# KiCad board RobotLegoController.kicad_pcb (continued)
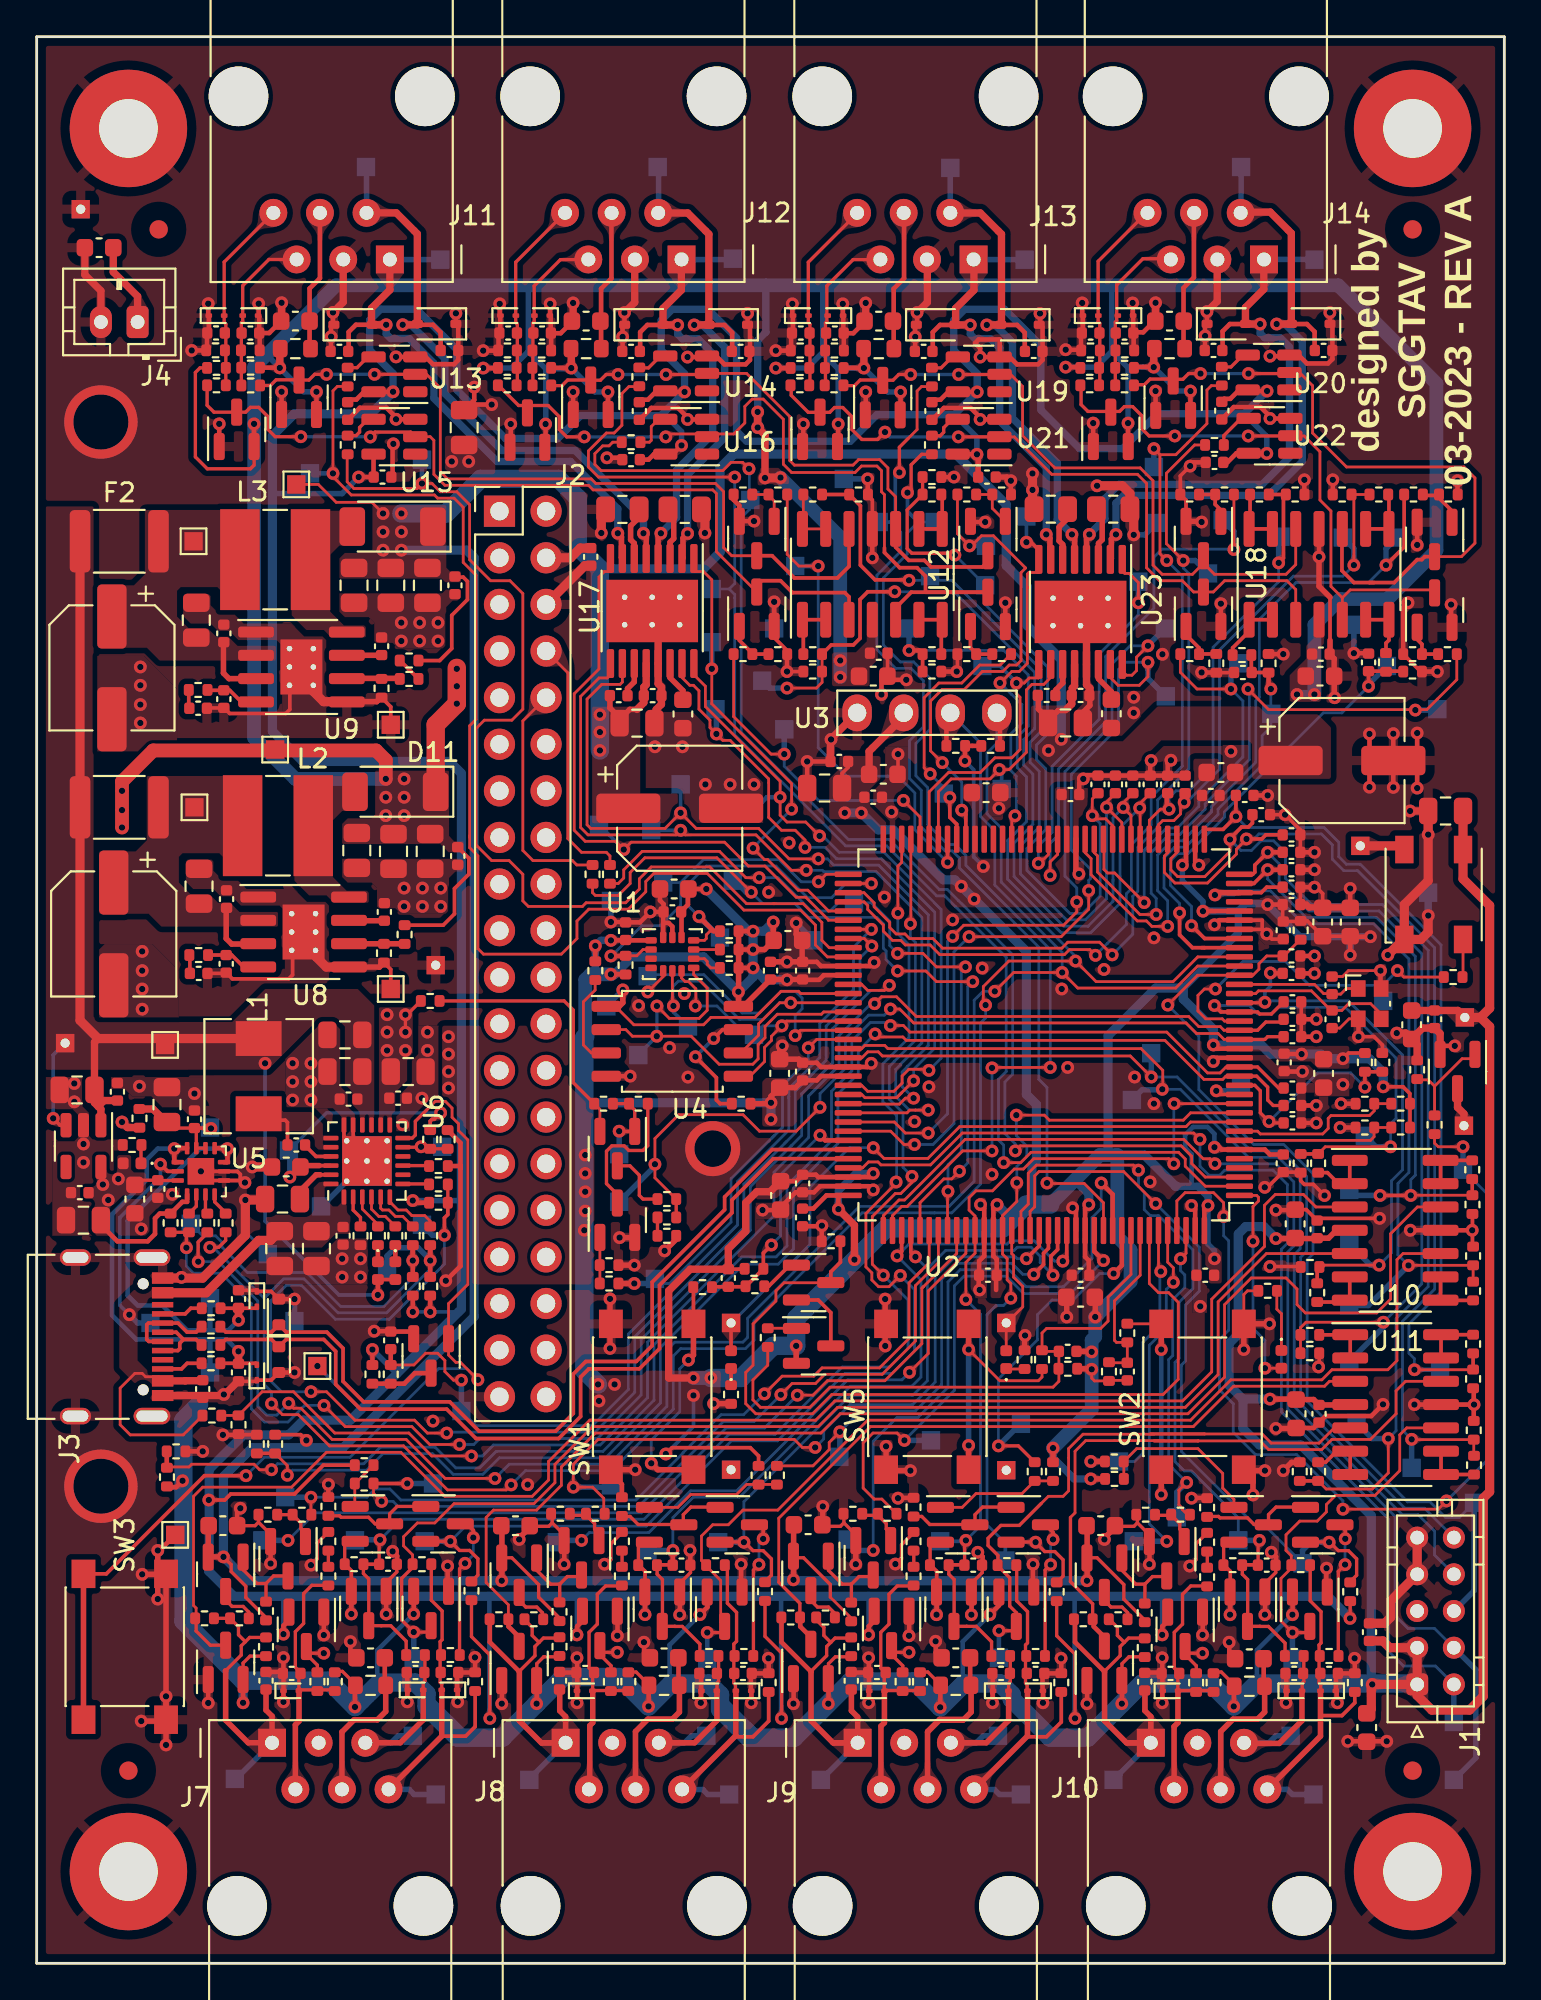
[diagram p0: board, top side]
## Footprints (pads in the part's own frame, mm; a bottom-side part is the same pattern mirrored in y, then rotated) (continued)
Texas_S-PWQFN-N24_EP2.7x2.7mm_ThermalVias
  rrect 1.13x1.13 smd: (-0.675,0.675) (-0.675,-0.675) (0.675,0.675) (0.675,-0.675)
  rrect 0.825x0.25 smd: 1(-1.962,1.25) 2(-1.962,0.75) 3(-1.962,0.25) 4(-1.962,-0.25) 5(-1.962,-0.75) 6(-1.962,-1.25) 13(1.962,-1.25) 14(1.962,-0.75) 15(1.962,-0.25) 16(1.962,0.25) 17(1.962,0.75) 18(1.962,1.25)
  rrect 0.25x0.825 smd: 7(-1.25,-1.962) 8(-0.75,-1.962) 9(-0.25,-1.962) 10(0.25,-1.962) 11(0.75,-1.962) 12(1.25,-1.962) 19(1.25,1.962) 20(0.75,1.962) 21(0.25,1.962) 22(-0.25,1.962) 23(-0.75,1.962) 24(-1.25,1.962)
  round 0.5 hole 0.3: 25(-1.1,1.1) 25(-1.1,0) 25(-1.1,-1.1) 25(0,1.1) 25(0,0) 25(0,-1.1) 25(1.1,1.1) 25(1.1,0) 25(1.1,-1.1)
  rect 2.7x2.7 smd: 25(0,0)
  rect 2.7x2.7 smd far side: 25(0,0)
USB_C_Receptacle_Palconn_UTC16-G
  round 0.6 hole 0.6 unplated: (-2.89,1.45) (2.89,1.45)
  rect 0.6x1.16 smd: A1(-3.2,2.51) A4(-2.4,2.51) A9(2.4,2.51) A12(3.2,2.51) B1(3.2,2.51) B4(2.4,2.51) B9(-2.4,2.51) B12(-3.2,2.51)
  rect 0.3x1.16 smd: A5(-1.25,2.51) A6(-0.25,2.51) A7(0.25,2.51) A8(1.25,2.51) B5(1.75,2.51) B6(0.75,2.51) B7(-0.75,2.51) B8(-1.75,2.51)
  oval 0.9x2 hole 0.6x1.7: S1(-4.32,1.93) S1(4.32,1.93)
  oval 0.9x1.7 hole 0.6x1.4: S1(-4.32,-2.24) S1(4.32,-2.24)
WQFN-14-1EP_2.5x2.5mm_P0.5mm_EP1.45x1.45mm
  rrect 0.58x0.58 smd: (-0.36,0.36) (-0.36,-0.36) (0.36,0.36) (0.36,-0.36)
  rrect 0.675x0.25 smd: 1(-1.262,0.5) 2(-1.262,0) 3(-1.262,-0.5) 8(1.262,-0.5) 9(1.262,0) 10(1.262,0.5)
  rrect 0.25x0.675 smd: 4(-0.75,-1.262) 5(-0.25,-1.262) 6(0.25,-1.262) 7(0.75,-1.262) 11(0.75,1.262) 12(0.25,1.262) 13(-0.25,1.262) 14(-0.75,1.262)
  rect 1.45x1.45 smd: 15(0,0)

## Nets
3V3_SENSE: C89.1 R69.1 R73.2 U2.13
5V_SENSE: C88.1 R68.1 R72.2 U2.15
9V_SENSE: C87.1 R67.1 R71.2 U2.14
+3.3V: C3.1 C4.1 C5.1 C6.1 C7.1 C8.1 C11.1 C12.2 C13.1 C14.2 C15.1 C16.1 C17.1 C18.2 C19.1 C20.2 C23.2 C24.2 C25.2 C26.2 C27.2 C28.2 C29.2 C31.2 C32.2 C33.1 C34.1 C35.1 C36.1 C37.1 C38.1 C39.2 C40.1 C42.1 C43.1 C63.1 C64.1 C142.1 C143.1 C144.1 C145.1 C167.1 C168.1 C169.1 C170.1 D10.2 D15.2 D16.2 D19.2 D20.2 D29.2 D30.2 D33.2 D34.2 Q1.2 Q9.2 Q10.2 Q11.2 Q12.2 R1.2 R2.2 R3.2 R4.2 R6.2 R7.2 R8.2 R14.2 R17.2 R18.2 R19.2 R20.2 R21.2 R22.2 R31.2 R33.2 R39.2 R40.2 R41.2 R69.2 R98.2 R99.2 R102.2 R103.2 R106.2 R108.2 R110.1 R111.1 R148.2 R149.2 R160.1 R161.1 TP36.1 U1.5 U1.8 U2.6 U2.17 U2.32 U2.33 U2.39 U2.52 U2.62 U2.72 U2.84 U2.95 U2.106 U2.108 U2.121 U2.131 U2.144 U3.2 U4.8 U5.3 U5.4 U7.5 U13.5 U14.5 U15.5 U16.5 U19.5 U20.5 U21.5 U22.5
+4V: C51.1 C55.1 C56.1 C61.1 C62.1 D8.2 D9.2 F1.1 F2.1 L1.2 TP28.1 TP35.1 U6.15 U6.16 U7.1 U7.3
+5V: C1.2 C2.1 C9.1 C10.1 C57.1 C72.1 C73.1 C74.1 C75.1 C92.2 C93.1 C112.2 C113.1 C140.1 C141.2 C165.1 C166.2 C181.2 C182.1 D11.1 D13.2 D14.2 D23.2 D24.2 D27.2 D28.2 D37.2 D38.2 D43.2 D44.2 D47.2 D48.2 D55.2 D56.2 D59.2 D60.2 D65.3 F3.2 F4.2 F5.2 F6.2 F7.2 F8.2 F9.2 F10.2 J1.1 J1.3 J2.2 J2.4 R28.2 R59.2 R68.2 R74.2 R75.2 R90.2 R91.2 R124.2 R125.2 R140.2 R141.2 R174.2 R175.2 R188.2 R189.2 R209.2 R210.2 R223.2 R224.2 TP42.1 TP147.1 U10.4 U11.4 U12.4 U18.4
+9V: C76.1 C77.1 C78.1 C79.1 C90.1 C91.1 C110.1 C111.1 C146.1 C147.1 C148.1 C150.1 C171.1 C172.1 C173.1 C175.1 D12.1 Q5.2 Q6.2 Q17.2 Q18.2 R60.2 R67.2 R76.2 R77.2 R126.2 R127.2 TP43.1 U17.12 U23.12
GND: C1.1 C2.2 C3.2 C4.2 C5.2 C9.2 C10.2 C11.2 C12.1 C13.2 C14.1 C15.2 C16.2 C17.2 C18.1 C19.2 C20.1 C21.2 C22.2 C23.1 C24.1 C25.1 C26.1 C27.1 C28.1 C29.1 C30.2 C31.1 C32.1 C33.2 C34.2 C35.2 C36.2 C37.2 C38.2 C39.1 C40.2 C41.2 C42.2 C43.2 C44.2 C45.2 C46.2 C47.2 C48.2 C49.2 C50.2 C51.2 C52.2 C53.2 C55.2 C56.2 C57.2 C58.2 C59.2 C60.2 C61.2 C62.2 C63.2 C64.2 C65.2 C66.2 C67.2 C68.2 C69.2 C70.2 C71.2 C72.2 C73.2 C74.2 C75.2 C76.2 C77.2 C78.2 C79.2 C80.2 C81.2 C82.2 C83.2 C84.2 C85.2 C86.2 C87.2 C88.2 C89.2 C90.2 C91.2 C92.1 C93.2 C94.1 C95.2 C96.2 C97.2 C98.2 C99.1 C100.2 C101.2 C102.2 C103.2 C104.2 C105.2 C106.2 C107.2 C108.2 C109.2 C110.2 C111.2 C112.1 C113.2 C114.1 C115.2 C116.2 C117.2 C118.2 C119.1 C120.2 C121.2 C122.2 C123.2 C124.2 C125.2 C126.2 C127.2 C128.2 C129.2 C130.2 C131.2 C132.1 C133.2 C134.2 C135.1 C136.2 C137.2 C138.2 C139.2 C140.2 C141.1 C142.2 C143.2 C144.2 C145.2 C146.2 C147.2 C148.2 C149.2 C151.2 C152.2 C153.2 C154.2 C155.2 C156.2 C157.1 C158.2 C159.2 C160.1 C161.2 C162.2 C163.2 C164.2 C165.2 C166.1 C167.2 C168.2 C169.2 C170.2 C171.2 C172.2 C173.2 C174.2 C176.2 C177.2 C178.2 C179.2 C180.2 C181.1 C182.2 D4.2 D5.2 D6.1 D7.1 D13.1 D14.1 D15.1 D16.1 D17.1 D18.1 D19.1 D20.1 D21.1 D22.1 D23.1 D24.1 D25.1 D26.1 D27.1 D28.1 D29.1 D30.1 D31.1 D32.1 D33.1 D34.1 D35.1 D36.1 D37.1 D38.1 D39.1 D40.1 D41.1 D42.1 D43.1 D44.1 D45.1 D46.1 D47.1 D48.1 D49.1 D50.1 D51.1 D52.1 D53.1 D54.1 D55.1 D56.1 D57.1 D58.1 D59.1 D60.1 D61.1 D62.1 D63.1 D64.1 D65.1 H1.1 H2.1 H3.1 H4.1 J1.7 J1.9 J2.6 J2.9 J2.14 J2.20 J2.25 J2.30 J2.34 J2.39 J3.A1 J3.A12 J3.B1 J3.B12 J3.S1 J4.2 J7.3 J8.3 J9.3 J10.3 J11.3 J12.3 J13.3 J14.3 Q4.2 Q7.2 Q8.2 Q13.2 Q19.2 Q20.2 Q29.2 Q30.2 Q31.2 Q32.2 Q33.2 Q34.2 Q35.2 Q36.2 Q37.2 R16.2 R23.1 R24.1 R25.1 R26.1 R27.1 R49.1 R52.1 R55.1 R56.1 R57.1 R58.1 R62.1 R65.1 R70.1 R71.1 R72.1 R73.1 R82.1 R83.1 R88.2 R89.2 R94.1 R97.1 R116.2 R117.1 R118.2 R119.1 R122.2 R123.2 R132.1 R133.1 R138.2 R139.2 R144.1 R147.1 R154.1 R166.2 R167.1 R168.2 R169.1 R172.2 R173.2 R180.1 R181.1 R182.2 R183.2 R186.1 R187.1 R194.1 R195.1 R196.2 R197.2 R200.1 R201.1 R207.1 R208.1 R215.1 R216.1 R217.2 R218.2 R221.1 R222.1 R229.1 R230.1 R231.2 R232.2 R235.1 R236.1 R242.1 R243.1 SW1.1 SW2.1 SW3.1 SW5.1 TP14.1 TP19.1 TP21.1 TP22.1 TP23.1 TP31.1 TP39.1 TP44.1 TP45.1 TP84.1 TP85.1 TP133.1 TP140.1 TP141.1 TP142.1 TP143.1 TP148.1 U1.6 U1.7 U2.16 U2.30 U2.31 U2.38 U2.51 U2.61 U2.71 U2.83 U2.94 U2.107 U2.120 U2.130 U2.143 U3.1 U4.4 U5.8 U5.9 U5.15 U6.17 U6.18 U6.25 U7.2 U8.1 U8.5 U8.9 U9.1 U9.5 U9.9 U10.11 U11.11 U12.11 U13.3 U14.3 U15.3 U16.3 U17.13 U17.17 U18.11 U19.3 U20.3 U21.3 U22.3 U23.13 U23.17 Y2.2 Y2.4
VBAT_ADC_ON: R54.1 TP38.1 U2.91
VBAT_SENSE: C58.1 R43.1 R51.2 TP34.1 U2.18
VBUS: C41.1 C49.1 C50.1 C52.1 J3.A4 J3.A9 J3.B4 J3.B9 R66.2 TP82.1 U5.2 U6.1 U6.24
VBUS_SENSE: C86.1 R66.1 R70.2 U2.19
+BATT: C53.1 C59.1 C180.1 J4.1 R206.1 U6.13 U6.14
/01-Microcontroller and Extras/BOARD_ID0: R21.1 R26.2 U2.7
/01-Microcontroller and Extras/BOARD_ID1: R22.1 R27.2 U2.8
/01-Microcontroller and Extras/BUTTON1: C6.2 R6.1 R10.2 R13.2 U2.136
/01-Microcontroller and Extras/BUTTON2: C7.2 R7.1 R11.2 R15.2 U2.102
/01-Microcontroller and Extras/BUTTON3: C8.2 R8.1 R12.2 U2.137
/01-Microcontroller and Extras/DEBUG_uRX_dTX: J1.10 TP11.1 U2.93
/01-Microcontroller and Extras/DEBUG_uTX_dRX: J1.8 TP8.1 U2.92
/01-Microcontroller and Extras/LED1: D1.2 TP15.1 U2.123
/01-Microcontroller and Extras/LED2: D2.2 U2.1
/01-Microcontroller and Extras/LED3: D3.2 TP17.1 U2.9
/01-Microcontroller and Extras/MC_BOOT0: Q2.3 R16.1 U2.138
/01-Microcontroller and Extras/MC_RESET_N: C30.1 J1.6 R14.1 TP6.1 U2.25
/01-Microcontroller and Extras/MC_SWCLK: J1.4 TP4.1 U2.109
/01-Microcontroller and Extras/MC_SWDIO: J1.2 TP1.1 U2.105
/01-Microcontroller and Extras/PC_uRX_rpiTX: R5.1 TP12.1 U2.116
/01-Microcontroller and Extras/PC_uTX_rpiRX: R9.1 TP13.1 U2.113
/01-Microcontroller and Extras/SYS_FLASH_CS_N: TP18.1 U2.86 U4.1
/01-Microcontroller and Extras/SYS_IMU_CS: TP9.1 U1.12 U2.90
/01-Microcontroller and Extras/SYS_IMU_IRQ1: R3.1 TP2.1 U1.4 U2.74
/01-Microcontroller and Extras/SYS_IMU_IRQ2: R4.1 TP5.1 U1.9 U2.73
/01-Microcontroller and Extras/SYS_SPI_CLK: TP10.1 U1.13 U2.87 U4.6
/01-Microcontroller and Extras/SYS_SPI_MISO: TP3.1 U1.1 U2.88 U4.2
/01-Microcontroller and Extras/SYS_SPI_MOSI: TP7.1 U1.14 U2.89 U4.5
/01-Microcontroller and Extras/XTAL_IN: C22.1 U2.23 Y2.3
/01-Microcontroller and Extras/XTAL_OUT: C21.1 U2.24 Y2.1
/02-System Power Supply and USB/5BOOSTIN: C66.1 C67.1 C68.1 F1.2 L2.1 TP40.1 U8.2 U8.3
/02-System Power Supply and USB/9BOOSTIN: C69.1 C70.1 C71.1 F2.2 L3.1 TP41.1 U9.2 U9.3
/02-System Power Supply and USB/BM_NPG: R47.1 U6.3
/02-System Power Supply and USB/BM_STAT: R45.1 U6.4
/02-System Power Supply and USB/BM_SW: C54.1 L1.1 U6.19 U6.20
/02-System Power Supply and USB/QONN: Q37.1 SW3.2 U6.12
/02-System Power Supply and USB/REGN: C60.1 R53.2 TP37.1 U6.22
/02-System Power Supply and USB/USB_CC1: C48.1 D7.2 R29.2 TP26.1 U5.10 U5.11
/02-System Power Supply and USB/USB_CC2: C47.1 D6.2 R30.2 TP27.1 U5.1 U5.14
/02-System Power Supply and USB/VCONN: C44.1 C45.1 R28.1 TP24.1 U5.12 U5.13
/03-System Inputs A/INPUT1_PIN1: C95.1 J7.1 R74.1 R80.1 R84.2 TP46.1
/03-System Inputs A/INPUT1_PIN2: C100.1 D17.2 J7.2 R90.1 R92.2 R93.2
/03-System Inputs A/INPUT1_PIN5: C102.1 D21.2 J7.5 R100.2 TP54.1
/03-System Inputs A/INPUT1_PIN6: C106.1 D25.2 J7.6 R112.2 R113.2 R116.1 TP63.1
/03-System Inputs A/INPUT2_PIN1: C96.1 J8.1 R75.1 R81.1 R85.1 TP47.1
/03-System Inputs A/INPUT2_PIN2: C101.1 D18.2 J8.2 R91.1 R95.2 R96.2
/03-System Inputs A/INPUT2_PIN5: C104.1 D22.2 J8.5 R101.2 TP55.1
/03-System Inputs A/INPUT2_PIN6: C107.1 D26.2 J8.6 R114.2 R115.2 R118.1 TP65.1
/04-System Inputs B/INPUT3_PIN1: C115.1 J9.1 R124.1 R130.1 R134.1 TP70.1
/04-System Inputs B/INPUT3_PIN2: C120.1 D31.2 J9.2 R140.1 R142.2 R143.2
/04-System Inputs B/INPUT3_PIN5: C122.1 D35.2 J9.5 R150.2 TP78.1
/04-System Inputs B/INPUT3_PIN6: C126.1 D39.2 J9.6 R162.2 R163.2 R166.1 TP87.1
/04-System Inputs B/INPUT4_PIN1: C116.1 J10.1 R125.1 R131.1 R135.1 TP71.1
/04-System Inputs B/INPUT4_PIN2: C121.1 D32.2 J10.2 R141.1 R145.2 R146.2
/04-System Inputs B/INPUT4_PIN5: C124.1 D36.2 J10.5 R151.2 TP79.1
/04-System Inputs B/INPUT4_PIN6: C127.1 D40.2 J10.6 R164.2 R165.2 R168.1 TP89.1
/05-System Outputs A/MOTORA_PIN1: C152.1 D50.2 J11.1 TP110.1 U17.7
/05-System Outputs A/MOTORA_PIN2: C151.1 D49.2 J11.2 TP109.1 U17.5
/05-System Outputs A/MOTORA_PIN5: C130.1 D41.2 J11.5 R174.1 R176.2 R180.2
/05-System Outputs A/MOTORA_PIN5_ENC: D43.3 Q29.3 R176.1 U12.12 U13.2
/05-System Outputs A/MOTORA_PIN6: C136.1 D45.2 J11.6 R188.1 R190.2 R194.2
/05-System Outputs A/MOTORA_PIN6_ENC: D47.3 Q31.3 R190.1 U12.3 U15.2
/05-System Outputs A/MOTORB_PIN1: C153.1 D51.2 J12.1 TP111.1 U17.4
/05-System Outputs A/MOTORB_PIN2: C154.1 D52.2 J12.2 TP112.1 U17.2
/05-System Outputs A/MOTORB_PIN5: C131.1 D42.2 J12.5 R175.1 R177.2 R181.2
/05-System Outputs A/MOTORB_PIN5_ENC: D44.3 Q30.3 R177.1 U12.10 U14.2
/05-System Outputs A/MOTORB_PIN6: C137.1 D46.2 J12.6 R189.1 R191.2 R195.2
/05-System Outputs A/MOTORB_PIN6_ENC: D48.3 Q32.3 R191.1 U12.5 U16.2
/06-System Outputs B/MOTORC_PIN1: C177.1 D62.2 J13.1 TP129.1 U23.7
/06-System Outputs B/MOTORC_PIN2: C176.1 D61.2 J13.2 TP128.1 U23.5
/06-System Outputs B/MOTORC_PIN5: C155.1 D53.2 J13.5 R209.1 R211.2 R215.2
/06-System Outputs B/MOTORC_PIN5_ENC: D55.3 Q33.3 R211.1 U18.12 U19.2
/06-System Outputs B/MOTORC_PIN6: C161.1 D57.2 J13.6 R223.1 R225.2 R229.2
/06-System Outputs B/MOTORC_PIN6_ENC: D59.3 Q35.3 R225.1 U18.3 U21.2
/06-System Outputs B/MOTORD_PIN1: C178.1 D63.2 J14.1 TP130.1 U23.4
/06-System Outputs B/MOTORD_PIN2: C179.1 D64.2 J14.2 TP131.1 U23.2
/06-System Outputs B/MOTORD_PIN5: C156.1 D54.2 J14.5 R210.1 R212.2 R216.2
/06-System Outputs B/MOTORD_PIN5_ENC: D56.3 Q34.3 R212.1 U18.10 U20.2
/06-System Outputs B/MOTORD_PIN6: C162.1 D58.2 J14.6 R224.1 R226.2 R230.2
/06-System Outputs B/MOTORD_PIN6_ENC: D60.3 Q36.3 R226.1 U18.5 U22.2
ADD_LED_RGB: R152.1 TP144.1 U2.20
BM_NIRQ: R41.1 R48.1 TP32.1 U2.80
INPUT1_PIN1_CURRENT_ENABLE: R78.1 TP48.1 U2.114
INPUT1_PIN1_SENSE_VOLTAGE: C97.1 R86.2 R88.1 TP50.1 U2.21
INPUT1_PIN2_DETECT: D15.3 R92.1 TP52.1 U2.117
INPUT1_PIN5_SCL_uTX_pRX: C103.1 D19.3 R98.1 R100.1 TP56.1 U2.69
INPUT1_PIN6_ENABLE_N: R104.1 TP60.1 U2.115
INPUT1_PIN6_SDA_uRX_pTX: Q15.2 R110.2 TP66.1 U2.70
INPUT1_PIN6_SENSE_VOLTAGE: C108.1 R120.2 R122.1 TP68.1 U2.22
INPUT2_PIN1_CURRENT_ENABLE: R79.1 TP49.1 U2.126
INPUT2_PIN1_SENSE_VOLTAGE: C98.1 R87.2 R89.1 TP51.1 U2.35
INPUT2_PIN2_DETECT: D16.3 R95.1 TP53.1 U2.118
INPUT2_PIN5_SCL_uTX_pRX: C105.1 D20.3 R99.1 R101.1 TP57.1 U2.111 U2.129
INPUT2_PIN6_ENABLE_N: R105.1 TP59.1 U2.127
INPUT2_PIN6_SDA_uRX_pTX: Q16.2 R111.2 TP67.1 U2.112 U2.128
INPUT2_PIN6_SENSE_VOLTAGE: C109.1 R121.2 R123.1 TP69.1 U2.34
INPUT3_PIN1_CURRENT_ENABLE: R128.1 TP72.1 U2.132
INPUT3_PIN1_SENSE_VOLTAGE: C117.1 R136.2 R138.1 TP74.1 U2.36
INPUT3_PIN2_DETECT: D29.3 R142.1 TP76.1 U2.134
INPUT3_PIN5_SCL_uTX_pRX: C123.1 D33.3 R148.1 R150.1 TP80.1 U2.11 U2.119
INPUT3_PIN6_ENABLE_N: R107.1 TP61.1 U2.135
INPUT3_PIN6_SDA_uRX_pTX: Q27.2 R160.2 TP90.1 U2.10 U2.122
INPUT3_PIN6_SENSE_VOLTAGE: C128.1 R170.2 R172.1 TP92.1 U2.40
INPUT4_PIN1_CURRENT_ENABLE: R129.1 TP73.1 U2.142
INPUT4_PIN1_SENSE_VOLTAGE: C118.1 R137.2 R139.1 TP75.1 U2.37
INPUT4_PIN2_DETECT: D30.3 R145.1 TP77.1 U2.140
INPUT4_PIN5_SCL_uTX_pRX: C125.1 D34.3 R149.1 R151.1 TP81.1 U2.124
INPUT4_PIN6_ENABLE_N: R109.1 TP83.1 U2.139
INPUT4_PIN6_SDA_uRX_pTX: Q28.2 R161.2 TP91.1 U2.125
INPUT4_PIN6_SENSE_VOLTAGE: C129.1 R171.2 R173.1 TP93.1 U2.41
MOTOR_CD_FAULT_N: TP123.1 U2.58 U23.8
MOTORA_PIN5_DET: R184.1 TP96.1 U2.65
MOTORA_PIN5_ENCODER: R202.1 TP134.1 U2.82
MOTORA_PIN5_SENSE: C133.1 R178.2 R182.1 TP94.1 U2.46
MOTORA_PIN6_DET: R198.1 TP100.1 U2.68
MOTORA_PIN6_ENCODER: R204.1 TP135.1 U2.81
MOTORA_PIN6_SENSE: C138.1 R192.2 R196.1 TP98.1 U2.45
MOTORA_PWM1: TP107.1 U2.99 U17.9
MOTORA_PWM2: TP108.1 U2.98 U17.10
MOTORAB_FAULT_N: TP104.1 U2.78 U17.8
MOTORAB_SLEEP_N: TP103.1 U2.77 U17.1
MOTORB_PIN5_DET: R185.1 TP97.1 U2.63
MOTORB_PIN5_ENCODER: R203.1 TP16.1 U2.2
MOTORB_PIN5_SENSE: C134.1 R179.2 R183.1 TP95.1 U2.47
MOTORB_PIN6_DET: R199.1 TP101.1 U2.64
MOTORB_PIN6_ENCODER: R205.1 TP20.1 U2.3
MOTORB_PIN6_SENSE: C139.1 R193.2 R197.1 TP99.1 U2.44
MOTORB_PWM1: TP105.1 U2.96 U17.16
MOTORB_PWM2: TP106.1 U2.97 U17.15
MOTORC_PIN5_DET: R219.1 TP115.1 U2.53
MOTORC_PIN5_ENCODER: R237.1 TP139.1 U2.133
MOTORC_PIN5_SENSE: C158.1 R213.2 R217.1 TP113.1 U2.43
MOTORC_PIN6_DET: R233.1 TP119.1 U2.48
MOTORC_PIN6_ENCODER: R239.1 TP138.1 U2.110
MOTORC_PIN6_SENSE: C163.1 R227.2 R231.1 TP117.1 U2.28
MOTORC_PWM1: TP126.1 U2.67 U23.9
MOTORC_PWM2: TP127.1 U2.66 U23.10
MOTORCD_FAULT_N: U2.55
MOTORCD_SLEEP_N: TP122.1 U2.54 U23.1
MOTORD_PIN5_DET: R220.1 TP116.1 U2.50
MOTORD_PIN5_ENCODER: R238.1 TP136.1 U2.76
MOTORD_PIN5_SENSE: C159.1 R214.2 R218.1 TP114.1 U2.42
MOTORD_PIN6_DET: R234.1 TP120.1 U2.49
MOTORD_PIN6_ENCODER: R240.1 TP137.1 U2.75
MOTORD_PIN6_SENSE: C164.1 R228.2 R232.1 TP118.1 U2.29
MOTORD_PWM1: TP124.1 U2.100 U23.16
MOTORD_PWM2: TP125.1 U2.101 U23.15
PIEZO_PWM: R153.2 TP145.1 U2.141
PM_NIRQ: R33.1 R38.1 U2.85
SHUTDOWN: C46.1 R35.1 TP25.1 U2.79
SYS_I2C_SCL: R19.1 R37.1 R39.1 R46.1 TP30.1 U2.26 U3.3
SYS_I2C_SDA: R20.1 R36.1 R40.1 R44.1 TP29.1 U2.27 U3.4
USB_DN: D5.1 R32.2 U2.103
USB_DP: D4.1 R34.2 U2.104
Net-(C84-Pad1): C84.1 R63.1
Net-(C85-Pad1): C85.1 R64.1
Net-(C94-Pad2): C94.2 F3.1 J7.4
Net-(C99-Pad2): C99.2 F4.1 J8.4
Net-(C114-Pad2): C114.2 F5.1 J9.4
Net-(C119-Pad2): C119.2 F6.1 J10.4
Net-(C132-Pad2): C132.2 F7.1 J11.4
Net-(C135-Pad2): C135.2 F8.1 J12.4
Net-(C157-Pad2): C157.2 F9.1 J13.4
Net-(C160-Pad2): C160.2 F10.1 J14.4
Net-(D1-K): D1.1 R23.2
Net-(D2-K): D2.1 R24.2
Net-(D3-K): D3.1 R25.2
Net-(D8-K): D8.1 R45.2
Net-(D9-K): D9.1 R47.2
Net-(D10-K): D10.1 R56.2
Net-(D11-A): D11.2 L2.2 U8.8
Net-(D12-A): D12.2 L3.2 U9.8
Net-(D13-COM): D13.3 R84.1 U10.3
Net-(D14-COM): D14.3 R85.2 U10.12
Net-(D23-COM): D23.3 R112.1 TP62.1 U10.5
Net-(D24-COM): D24.3 R114.1 TP64.1 U10.10
Net-(D27-COM): D27.3 R134.2 U11.3
Net-(D28-COM): D28.3 R135.2 U11.12
Net-(D37-COM): D37.3 R162.1 TP86.1 U11.5
Net-(D38-COM): D38.3 R164.1 TP88.1 U11.10
Net-(D65-DIN): D65.2 R152.2
Net-(D65-DO): D65.4 TP149.1
Net-(J2-GPIO14/TXD): J2.8 R5.2
Net-(J2-GPIO15/RXD): J2.10 R9.2
Net-(J3-CC1): J3.A5 R29.1
Net-(J3-CC2): J3.B5 R30.1
Net-(J3-D+-PadA6): J3.A6 J3.B6 R34.1
Net-(J3-D--PadA7): J3.A7 J3.B7 R32.1
Net-(Q1-D): Q1.3 Q2.2
Net-(Q1-G): Q1.1 R13.1
Net-(Q2-G): Q2.1 R15.1
Net-(Q3-D): Q3.3 R43.2
Net-(Q3-G): Q3.1 R42.2 R50.1 TP33.1
Net-(Q3-S): Q3.2 R42.1 R206.2
Net-(Q4-D): Q4.3 R50.2
Net-(Q4-G): Q4.1 R54.2 R58.2
Net-(Q5-D): Q5.3 R80.2
Net-(Q5-G): Q5.1 Q7.3 R76.1
Net-(Q6-D): Q6.3 R81.2
Net-(Q6-G): Q6.1 Q8.3 R77.1
Net-(Q7-G): Q7.1 R78.2 R82.2
Net-(Q8-G): Q8.1 R79.2 R83.2
Net-(Q9-G): Q9.1 R103.1 R105.2
Net-(Q10-D): Q10.3 Q15.1 R117.2
Net-(Q10-G): Q10.1 R102.1 R104.2
Net-(Q11-D): Q11.3 Q27.1 R167.2
Net-(Q11-G): Q11.1 R106.1 R107.2
Net-(Q12-D): Q12.3 Q28.1 R169.2
Net-(Q12-G): Q12.1 R108.1 R109.2
Net-(Q13-D): Q13.3 TP146.1
Net-(Q13-G): Q13.1 R153.1 R154.2
Net-(Q15-D): Q15.3 R113.1
Net-(Q16-D): Q16.3 R115.1
Net-(Q16-G): Q9.3 Q16.1 R119.2
Net-(Q17-D): Q17.3 R130.2
Net-(Q17-G): Q17.1 Q19.3 R126.1
Net-(Q18-D): Q18.3 R131.2
Net-(Q18-G): Q18.1 Q20.3 R127.1
Net-(Q19-G): Q19.1 R128.2 R132.2
Net-(Q20-G): Q20.1 R129.2 R133.2
Net-(Q27-D): Q27.3 R163.1
Net-(Q28-D): Q28.3 R165.1
Net-(Q29-G): Q29.1 R184.2 R186.2
Net-(Q30-G): Q30.1 R185.2 R187.2
Net-(Q31-G): Q31.1 R198.2 R200.2
Net-(Q32-G): Q32.1 R199.2 R201.2
Net-(Q33-G): Q33.1 R219.2 R221.2
Net-(Q34-G): Q34.1 R220.2 R222.2
Net-(Q35-G): Q35.1 R233.2 R235.2
Net-(Q36-G): Q36.1 R234.2 R236.2
Net-(Q37-D): Q37.3 R31.1 R35.2
Net-(R10-Pad1): R10.1 SW5.2
Net-(R11-Pad1): R11.1 SW1.2
Net-(R12-Pad1): R12.1 SW2.2
Net-(R51-Pad1): R51.1 R55.2
Net-(R60-Pad1): R60.1 R61.1
Net-(R93-Pad1): R93.1 R94.2
Net-(R96-Pad1): R96.1 R97.2
Net-(R143-Pad1): R143.1 R144.2
Net-(R146-Pad1): R146.1 R147.2
Net-(R202-Pad2): R202.2 U13.4
Net-(R203-Pad2): R203.2 U14.4
Net-(R204-Pad2): R204.2 U15.4
Net-(R205-Pad2): R205.2 U16.4
Net-(R237-Pad2): R237.2 U19.4
Net-(R238-Pad2): R238.2 U20.4
Net-(R239-Pad2): R239.2 U21.4
Net-(R240-Pad2): R240.2 U22.4
Net-(U1-SCX): R1.1 U1.3
Net-(U1-SDX): R2.1 U1.2
Net-(U2-PF2): TP132.1 U2.12
Net-(U4-~{HOLD}): R17.1 U4.7
Net-(U4-~{WP}): R18.1 U4.3
Net-(U5-INT_N): R38.2 U5.5
Net-(U5-SCL): R37.2 U5.6
Net-(U5-SDA): R36.2 U5.7
Net-(U6-BTST): C54.2 U6.21
Net-(U6-PMID): C65.1 U6.23
Net-(U6-PSEL): R52.2 U6.2
Net-(U6-SCL): R46.2 U6.5
Net-(U6-SDA): R44.2 U6.6
Net-(U6-TS): R53.1 R57.2 TP58.1 U6.11
Net-(U6-~{CE}): R49.2 U6.9
Net-(U6-~{INT}): R48.2 U6.7
Net-(U8-COMP): C82.1 R63.2 U8.4
Net-(U8-FB): R59.1 R62.2 U8.6
Net-(U8-SS): C80.1 U8.7
Net-(U9-COMP): C83.1 R64.2 U9.4
Net-(U9-FB): R61.2 R65.2 U9.6
Net-(U9-SS): C81.1 U9.7
Net-(U10A--): R86.1 U10.1 U10.2
Net-(U10B--): R120.1 U10.6 U10.7
Net-(U10C--): R121.1 U10.8 U10.9
Net-(U10D--): R87.1 U10.13 U10.14
Net-(U11A--): R136.1 U11.1 U11.2
Net-(U11B--): R170.1 U11.6 U11.7
Net-(U11C--): R171.1 U11.8 U11.9
Net-(U11D--): R137.1 U11.13 U11.14
Net-(U12A--): R192.1 U12.1 U12.2
Net-(U12B--): R193.1 U12.6 U12.7
Net-(U12C--): R179.1 U12.8 U12.9
Net-(U12D--): R178.1 U12.13 U12.14
Net-(U17-AISEN): R207.2 U17.3
Net-(U17-BISEN): R208.2 U17.6
Net-(U17-VCP): C150.2 U17.11
Net-(U17-VINT): C149.1 U17.14
Net-(U18A--): R227.1 U18.1 U18.2
Net-(U18B--): R228.1 U18.6 U18.7
Net-(U18C--): R214.1 U18.8 U18.9
Net-(U18D--): R213.1 U18.13 U18.14
Net-(U23-AISEN): R242.2 U23.3
Net-(U23-BISEN): R243.2 U23.6
Net-(U23-VCP): C175.2 U23.11
Net-(U23-VINT): C174.1 U23.14

Pads without a net: J1 5; J2 1 3 5 7 11 12 13 15 16 17 18 19 21 22 23 24 26 27 28 29 31 32 33 35 36 37 38 40; J3 A8 B8; U1 10 11; U2 4 5 56 57 59 60; U6 8 10; U7 4; U13 1; U14 1; U15 1; U16 1; U19 1; U20 1; U21 1; U22 1

## Via types
v1: diameter 0.7, hole 0.35, L1 to L4, 781 vias
v2: diameter 4, hole 3, L1 to L4, 2 vias
v3: diameter 3, hole 2, L1 to L4, 1 via

## Routing (per net, layer and track width the routed paths; a pad name or vN(x,y) marks a point on that pad's centre or on a via; arc(x,y) is an arc through that point)
3V3_SENSE: length 12.4
  L1 w0.18: C89.1 67.25,45.8 66.7,46.35 66.7,47.55 66.4,47.85 U2.13
  L1 w0.2: R73.2 R69.1 v1(72.4,47.75)
  L4 w0.15: v1(72.4,47.75) 71.62,48.53 69.82,48.53 v1(67.18,45.88)
5V_SENSE: length 81
  L1 w0.15: U2.15 64.83,48.85 64.51,48.53 63.82,48.53 61.6,50.75 47.6,50.75 47.24,51.11 v1(46.54,51.11) ; v1(12.8,26.9) 12.15,26.9 11.85,27.2 8.45,27.2 8.3,27.05 7.14,27.05 R68.1
  L1 w0.18: U2.15 66.55,48.85 67.7,47.7 C88.1
  L1 w0.25: R68.1 7.09,27.02 R72.2
  L4 w0.15: v1(12.8,26.9) 13.12,27.22 17.83,27.22 18.73,28.12 21.72,28.12 22.84,27 24.15,27 25.05,27.9 30.87,27.9 33.65,30.68 33.65,33.71 38.44,38.5 40.3,38.5 40.9,39.1 40.9,42.4 43.32,44.83 43.32,46.37 43.32,47.52 44.43,48.63 44.43,50.27 45.44,51.27 46.37,51.27 v1(46.54,51.11)
9V_SENSE: length 75.9
  L1 w0.15: v1(13.66,26.6) 13.66,27.13 R67.1 ; U2.14 64.82,48.35 64.65,48.17 63.62,48.17 61.5,50.3 47.4,50.3 47.22,50.48 45.87,50.48 v1(45.7,50.65)
  L1 w0.18: U2.14 66.5,48.35 67.1,47.75 67.1,47.05 67.4,46.75 C87.1
  L1 w0.2: R71.2 R67.1
  L4 w0.15: v1(45.7,50.65) 44.78,49.73 44.78,48.48 43.67,47.37 43.67,46.45 43.68,46.45 43.68,44.68 41.25,42.26 41.25,38.93 40.42,38.1 38.53,38.1 34,33.57 34,30.54 31.01,27.55 25.22,27.55 24.32,26.65 22.7,26.65 21.57,27.78 18.88,27.78 17.98,26.88 13.94,26.88 v1(13.66,26.6)
+3.3V: length 709.8
  L1 w0.15: C8.1 58.48,31.77 R8.2 57.66,31.74 57.51,31.89 v1(57.51,32.37)
  L1 w0.18: v1(40.6,13.35) 40.61,13.36 40.61,16.91 39.7,17.82 R111.1 ; 5.35,42.42 5.6,42.68 C42.1 6.62,42.66 U5.3 ; 64.7,21.72 64.7,22.97 65.27,22.97 ; R110.1 23.7,17.81 24.7,16.81 v1(24.7,13.35) ; 33.37,22.97 32.8,22.97 32.8,21.72 ; v1(71.59,18.8) 71.6,18.81 R161.1 ; R98.2 16.79,23 Q10.2 ; U7.5 3.6,43.3 ; v1(56.6,13.35) 56.6,16.85 55.6,17.85 R160.1 ; 49.27,22.97 48.7,22.97 48.7,21.72
  L1 w0.2: R21.2 R22.2 74.85,46.86 74.85,47.4 74.48,47.77 v1(73.4,47.77) ; v1(71.2,49.3) 71.51,49.61 R69.2 ; C17.1 C16.1 69.26,56.81 R14.2 68.87,56.78 C18.2 67.92,56.81 C15.1 ; 32.8,21.72 32.81,21.72 33.16,21.36 33.16,20.24 ; D19.2 17.15,21.4 16.8,21.75 R98.2 ; v1(34.29,27.76) 34.64,28.1 38.9,28.1 39.35,27.65 R103.2 ; C40.1 43.9,64.85 44.23,65.18 C39.2 ; 49.06,20.24 49.06,21.36 48.71,21.72 48.7,21.72 ; 65.06,20.24 65.06,21.36 64.71,21.72 64.7,21.72 ; R7.2 38.57,37.83 C7.1 ; v1(9.38,25.25) 10.25,25.25 10.57,25.58 14.05,25.58 15.63,27.15 R102.2
  L1 w0.25: 64.59,85.12 64.74,85.27 65.06,85.27 65.49,85.69 v1(67.07,85.69) ; 13.75,19.19 13.75,18.7 13.45,18.4 v1(13.45,17.94) ; C29.2 42.33,41.13 43.05,41.85 U2.108 43.7,41.85 v1(43.7,41.1) ; v1(62.45,59.85) 62.65,60.05 U2.39 ; C28.2 41.77,53.6 42.65,53.6 42.9,53.85 U2.84 ; v1(72.7,55.95) 71.62,55.95 C17.1 v1(71.6,54.95) ; v1(51.27,85.64) 49.69,85.64 49.26,85.22 48.94,85.22 48.79,85.07 ; 68,49.55 v1(68.95,49.55) ; 35.5,58.55 v1(36.5,58.55) ; 32.1,53.9 v1(31.3,53.9) ; 61.36,17.9 61.36,18.36 61.66,18.67 61.66,19.15 ; v1(50.6,65.52) 50.6,66.34 R19.2 R20.2 ; C143.1 33.35,81.95 33.65,82.25 U16.5 ; U2.106 42.6,42.85 42.47,42.98 C20.2 41.4,42.62 40.22,42.62 ; v1(63.57,57.34) 63.58,57.35 U2.32 ; 45.36,17.9 45.36,18.36 45.66,18.67 45.66,19.15 ; 32.1,55.75 v1(31.3,55.75) ; 29.76,19.15 29.76,18.67 29.46,18.36 29.46,17.9 ; 52.3,37.53 52.3,36.7 ; 17.15,20.3 v1(17.15,19.04) ; C31.2 52.33,38.37 52.15,38.55 U2.121 52.15,41.15 v1(52.35,41.35) ; v1(20.5,41.57) 20.62,41.45 R41.2 ; 38.25,56.25 v1(39.05,56.25) ; 18.3,32.6 v1(18.3,33.45) ; C168.1 64.9,81.8 65.4,82.3 66.01,82.3 66.02,82.29 v1(67.05,82.29) ; v1(40.9,53.6) 40.02,53.6 C38.1 ; v1(19.43,85.65) U13.5 17.85,85.65 17.43,85.22 17.09,85.22 C144.1 ; C142.1 18.36,81.01 U15.5 ; U5.4 8.2,41.5 7.94,41.5 R33.2 6.71,40.86 6.45,40.6 6.45,39.75 6.05,39.35 4.4,39.35 3.5,40.25 C64.1 ; U2.6 66.95,44.35 67.22,44.08 C23.2 ; U2.95 42.75,48.35 42.52,48.12 C12.2 ; 32.84,85.07 32.99,85.22 33.31,85.22 33.74,85.64 v1(35.32,85.64) ; 30.45,54.65 v1(30.45,55.45) ; 34.24,82.24 34.66,82.24 v1(35.15,82.73) ; 38.25,55.25 v1(39.05,55.25) ; 63.65,39.89 63.65,41.1 v1(63.85,41.3) ; 38.25,52.15 v1(38.25,52.95) ; v1(45.6,43.05) 45.4,42.85 44.19,42.85 ; 50.19,82.24 v1(51.25,82.24) ; C19.1 40.53,42.6 ; 67.9,57.7 v1(67.1,57.7) ; U1.8 32.12,55.75 C4.1 ; 21.45,36.35 v1(21.45,35.5) ; 49.06,20.27 49.06,19 ; 33.16,20.27 v1(33.16,19) ; v1(64.2,44.47) 64.46,44.47 64.59,44.35 65.61,44.35 ; v1(57.35,41.35) 57.15,41.15 U2.131 57.15,38.5 57.35,38.3 57.35,37.53 C14.2 ; 20.5,36.35 v1(20.5,35.5) ; 18.4,81 v1(17.55,81) ; U1.5 35.15,57.28 C5.1 35.13,57.33 35.5,57.7 35.5,58.53 C3.1 ; 65.06,20.27 65.06,19 ; v1(64.14,50.05) 64.34,49.85 65.55,49.85 ; 38.25,54.25 v1(39.05,54.25)
  L1 w0.3: 57.7,36.28 v1(57.7,35.22) ; v1(51.25,82.24) 51.32,82.17 C167.1 ; v1(39.05,55.25) 39.68,55.25 40.18,55.75 40.15,55.78 v1(40.15,56.75) ; C28.2 C38.1 38.53,52.16 U4.8 38.26,52.17 R2.2 R3.2 ; 56.7,33.35 57.48,33.35 ; 55.4,27.3 v1(55.4,28.08) ; C12.2 41.35,47.72 C11.1 40.03,47.25 v1(40.03,46.9) 39.98,46.85 R17.2 ; 56.7,32.4 57.48,32.4 ; v1(41.4,33.65) 41.4,32.65 ; R108.2 v1(57.46,26.4)
  L1 w0.4: v1(43.7,41.1) 44.58,40.22 v1(44.58,38.35) ; C19.1 39.97,42.05 39.25,42.05 38.65,41.45 38.65,39.9 37.7,38.95 C7.1 35.63,37.83 34.45,36.65 34.45,31.9 v1(35.8,31.9) ; U3.2 47.26,67.94 45.38,66.05 C35.1
  L4 w0.15: 51.1,65.02 v1(50.6,65.52)
  L4 w0.2: v1(51.6,59.78) 51.07,60.3 51.07,65.05 v1(50.6,65.52) ; v1(20.5,35.5) 23,35.5 ; v1(35.8,30.95) 35.8,29.26 v1(34.29,27.76) ; v1(15.3,32.55) 17.68,30.17
  L4 w0.25: v1(61.35,17.9) 61.35,19.95 61.3,20 ; v1(33.16,19) 33.16,19.99 33.15,20 ; 56.6,20 56.57,19.97 56.57,13.38 v1(56.6,13.35) ; v1(65.05,19) 65.05,20 ; v1(17.15,19.04) 17.15,20 ; 40.6,19.85 40.57,19.83 40.57,13.38 v1(40.6,13.35) ; v1(64.2,44.47) 64.2,45.2 63.82,45.58 63.03,45.58 62.6,45.15 62.6,44.45 62.95,44.1 62.95,42.35 ; v1(49.05,19) 49.05,20 ; v1(24.7,13.35) 24.68,13.38 24.68,19.97 24.65,20 ; v1(13.45,17.94) 13.45,20 ; v1(29.45,17.9) 29.45,20 ; v1(45.35,17.9) 45.35,20
  L4 w0.3: v1(63.57,57.34) 63.57,57.88 62.45,59 v1(62.45,59.85) ; v1(63.85,41.3) 63.85,39.2 64.2,38.85 v1(64.2,38.4) ; v1(35.15,82.73) 35.15,83.48 34.28,84.35 34.03,84.35 ; v1(51.25,82.24) 51.25,83.17 50.03,84.39 50.03,84.4 ; v1(17.55,81) 16.65,80.1 13.05,80.1 12.85,80.3 ; 65.83,84.45 65.83,84.44 67.05,83.22 v1(67.05,82.29) ; v1(57.51,32.37) v1(57.51,33.32) ; v1(20.5,41.57) 23.13,41.57 23.15,41.55 ; v1(18.3,33.45) 19.62,32.12